# KiCad board for_real_486_2.kicad_pcb (continued)
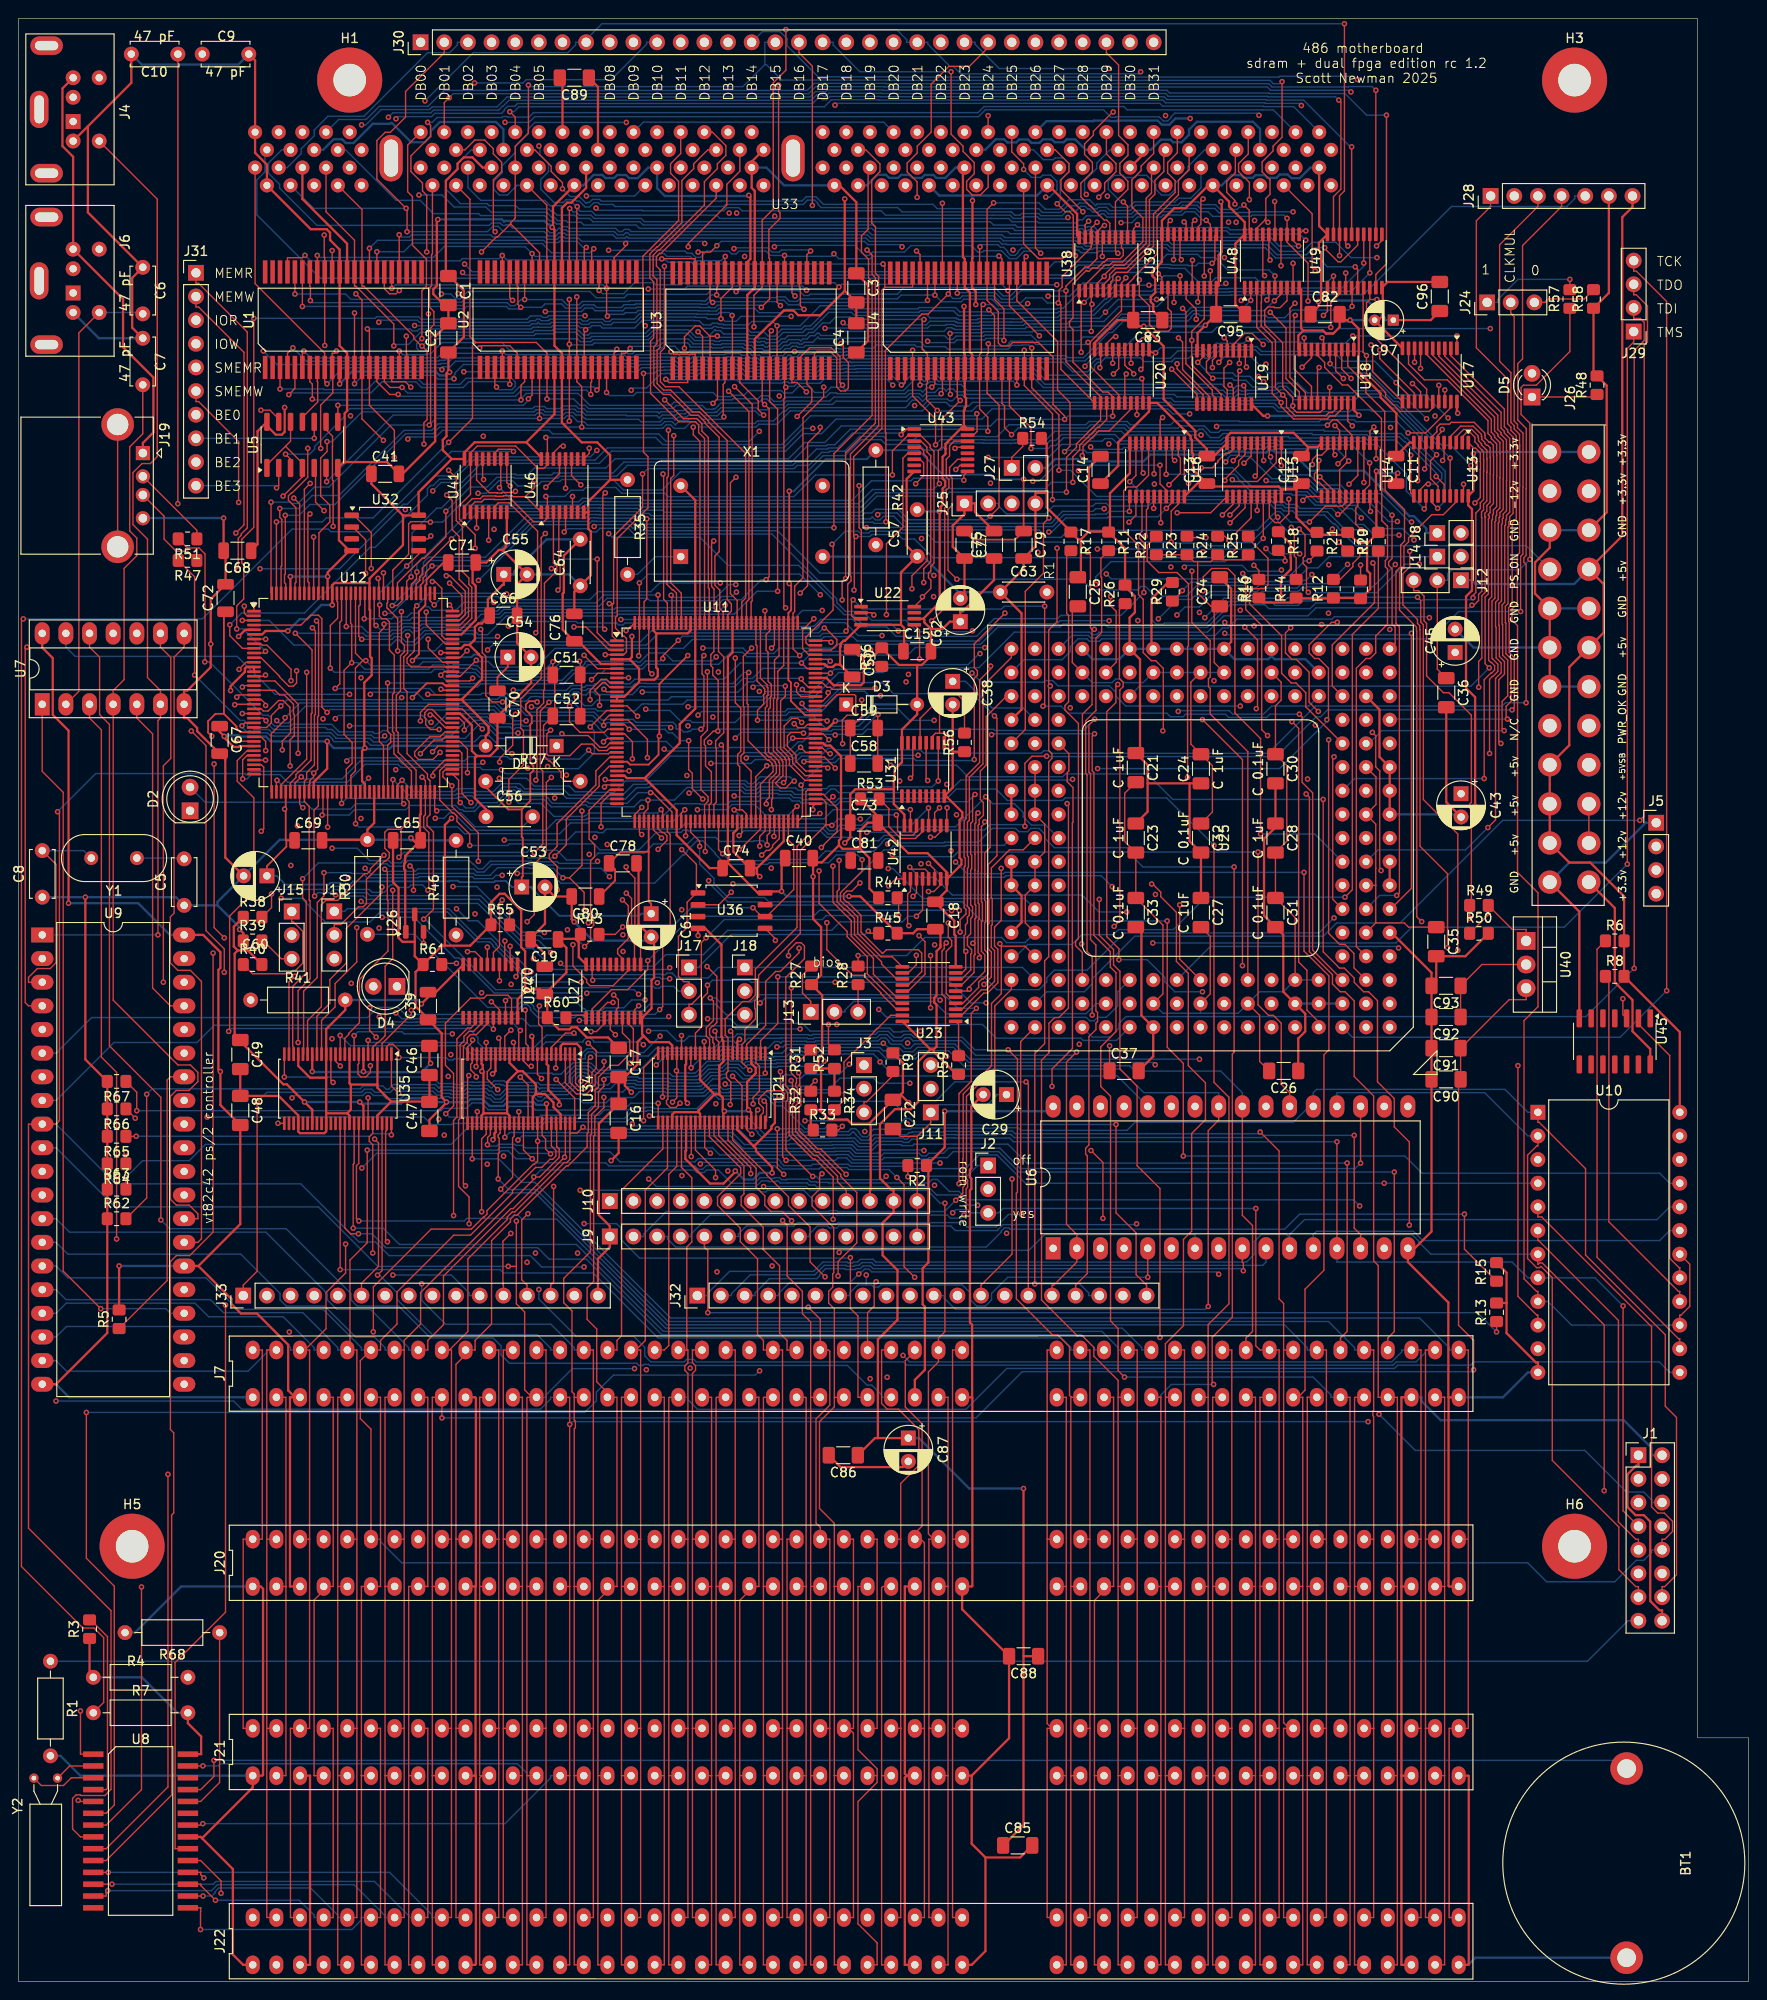
[diagram p0: board, top side]
## Routing (per net, layer and track width the routed paths; a pad name or vN(x,y) marks a point on that pad's centre or on a via; arc(x,y) is an arc through that point) (continued)
ISA_A10: length 91.4
  Top w0.15: J20.52 76.97,47.5 ; 76.97,47.5 76.97,67.82 J7.52 ; 76.97,47.5 76.97,27.18 ; U21.33 72.7,89.29 74.86,87.13 v1(74.86,86.34) ; 76.97,27.18 J21.52 ; 76.97,27.18 76.97,27.18 76.97,6.86 J22.52
  In2.Cu w0.15: J7.52 75.95,71.25 74.25,72.95 74.25,78.37 74.86,78.98 v1(74.86,86.34)
ISA_A11: length 92.2
  Top w0.15: 72.38,47.5 72.38,65.3 72.71,65.63 72.71,66.11 72.38,66.44 72.38,67.82 J7.51 ; 72.38,47.5 J20.51 ; 72.38,47.5 72.38,27.18 72.38,27.18 ; U21.32 72.25,92.22 v1(72.25,88.6) ; 72.38,27.18 J21.51 ; 72.38,27.18 72.38,6.86 J22.51
  In2.Cu w0.15: J7.51 73.41,70.13 69.98,73.55 69.98,84.44 71.89,86.35 71.89,88.24 v1(72.25,88.6)
ISA_A12: length 90.5
  Top w0.15: J20.50 71.89,47.5 ; 71.89,47.5 71.89,27.18 ; 71.89,47.5 71.89,65.3 71.56,65.63 71.56,66.11 71.89,66.44 71.89,67.82 71.77,67.82 ; J22.50 71.89,6.86 71.89,27.18 71.89,27.18 ; 71.89,27.18 J21.50 ; 71.77,67.82 71.77,67.82 71.77,78.88 72.31,79.42 72.31,86.31 71.2,87.43 U21.30 ; 71.77,67.82 J7.50
ISA_A13: length 91.2
  Top w0.15: J7.49 69.35,67.82 69.84,68.3 69.84,86.69 70.7,87.54 U21.29
  In2.Cu w0.15: J7.49 69.35,67.82 69.35,47.5 J20.49 68.33,45.21 69.6,43.94 69.6,28.45 J21.49 68.33,24.38 69.6,23.11 69.6,8.13 J22.49
ISA_A14: length 90.9
  Top w0.15: 66.3,67.82 66.81,67.82 66.81,47.5 ; 66.3,67.82 J7.48 ; 66.3,67.82 67.31,68.83 67.31,84.99 69.7,87.38 U21.27 ; 66.81,47.5 66.81,27.18 ; 66.81,47.5 J20.48 ; 66.81,27.18 J21.48 ; 66.81,27.18 66.81,27.18 66.81,6.86 J22.48
ISA_A15: length 93.8
  Top w0.15: J7.47 64.27,67.82 64.27,68.84 64.76,69.33 64.76,84.98 69.2,89.42 U21.26
  In2.Cu w0.15: 64.27,27.18 J21.47 ; 64.27,27.18 64.27,27.18 64.27,47.5 J20.47 62.22,47.5 62.22,59.02 62.5,59.3 62.5,59.78 62.22,60.07 62.22,67.82 J7.47 ; 64.27,27.18 64.27,6.86 J22.47
ISA_A16: length 105.5
  Top w0.15: v1(39.62,79.44) 39.43,79.63 39.43,91.32 39.54,91.44 U35.47 ; J21.46 61.73,27.18 ; 61.73,27.18 61.73,27.18 61.73,6.86 J22.46 ; 61.73,27.18 61.73,47.5 ; J20.46 61.73,47.5 ; 61.73,47.5 61.73,67.82 J7.46
  In1.Cu w0.15: v1(39.62,79.44) 43.3,75.76 v1(43.3,74.93)
  Bottom w0.15: J7.46 59.68,67.82 59.68,68.07 57.17,70.58 45.86,70.58 43.3,73.15 v1(43.3,74.93)
ISA_A17: length 104.5
  Top w0.15: U35.46 39.04,76.35 v1(38.55,75.86)
  In2.Cu w0.15: J22.45 59.44,8.13 59.44,23.62 58.17,24.89 J21.45 59.44,28.45 59.44,46.23 J20.45 59.94,49.28 59.94,59.94 59.44,60.45 59.44,63.25 58.17,64.52 J7.45
  Bottom w0.15: J7.45 57.14,67.82 57.14,68.02 55.69,69.47 44.43,69.47 40.64,73.26 40.64,73.99 38.76,75.86 v1(38.55,75.86)
ISA_A18: length 103.5
  Top w0.15: J20.44 56.65,47.5 ; 56.65,47.5 56.65,67.82 J7.44 ; 56.65,47.5 56.65,27.18 ; v1(38.04,78.24) 38.04,89.86 37.66,90.24 37.66,90.72 38.04,91.09 U35.44 ; 56.65,27.18 J21.44 ; 56.65,27.18 56.65,27.18 56.65,6.86 J22.44
  In1.Cu w0.15: v1(38.04,78.24) 38.99,78.24 43.18,74.05 43.18,73.29 46.8,69.66 47.89,69.66 49.28,68.27 49.28,67.29 50.06,66.51 53.55,66.51 54.6,67.56 54.6,67.82 J7.44
ISA_A19: length 104.6
  Top w0.15: 52.06,27.18 52.06,6.86 J22.43 ; 52.06,27.18 52.06,47.5 52.15,47.5 ; 52.06,27.18 J21.43 ; J7.43 52.06,67.82 52.06,47.59 52.15,47.5 ; 52.15,47.5 J20.43 ; U35.43 v1(37.54,94.9)
  In1.Cu w0.15: v1(45.12,92.61) 39.83,92.61 v1(37.54,94.9)
  In2.Cu w0.15: v1(45.12,92.61) 47.42,90.32 47.42,83.36 53.22,77.56 53.22,69.23 53.09,69.09 J7.43
ISA_A20: length 124.6
  Top w0.15: U35.41 36.54,87.85 36.29,87.6 36.29,81.93 v1(36.54,81.68)
  In2.Cu w0.15: J20.85 120.64,47.5 120.64,67.82 J7.85
  Bottom w0.15: v1(36.54,81.68) 47.87,81.68 48.15,81.95 52.83,81.95 53.17,82.3 53.65,82.3 54.07,81.87 57.79,81.87 69.49,70.17 118.54,70.17 120.64,68.07 120.64,67.82 J7.85
ISA_A21: length 165.1
  Top w0.15: J22.84 120.15,6.86 120.15,27.18 120.15,27.18 ; J20.84 120.15,47.5 ; 120.15,47.5 120.15,27.18 ; 120.15,47.5 120.15,67.82 J7.84 ; U35.40 36.04,87.85 35.94,87.75 v1(35.94,80.9) ; 120.15,27.18 J21.84
  Bottom w0.15: J7.84 118.1,67.82 118.1,68.07 116.35,69.82 69.25,69.82 59.92,79.15 40.91,79.15 39.16,80.9 v1(35.94,80.9)
ISA_A22: length 163.4
  Top w0.15: U35.38 35.04,80.91 35.65,80.3 v1(36.5,80.3)
  In2.Cu w0.15: J22.83 117.61,6.86 117.61,27.18 ; 117.61,27.18 117.61,27.18 117.61,47.5 ; 117.61,27.18 J21.83 ; J20.83 117.61,47.5 ; 117.61,47.5 117.61,67.82 J7.83
  Bottom w0.15: J7.83 115.56,67.82 115.56,68.03 114.13,69.47 69.07,69.47 60.97,77.57 56.98,77.57 55.75,78.8 39.45,78.8 39.38,78.87 39.38,78.87 39.04,79.21 39.04,79.21 37.95,80.3 v1(36.5,80.3)
ISA_A23: length 164
  Top w0.15: J20.82 115.07,47.5 ; 115.07,47.5 115.07,27.18 ; 115.07,47.5 115.07,67.82 J7.82 ; 115.07,27.18 115.07,27.18 115.07,6.86 J22.82 ; 115.07,27.18 J21.82 ; U35.37 v1(34.54,76.45)
  Bottom w0.15: J7.82 113.02,67.82 113.02,68.07 111.98,69.12 68.68,69.12 61.7,76.09 52.09,76.09 51.73,76.45 v1(34.54,76.45)
ISA_CLK: length 154.2
  Top w0.15: 74.43,22.1 74.43,1.78 J22.20 ; 74.43,22.1 74.43,42.42 ; 74.43,22.1 J21.20 ; v1(68.02,140.44) 67.68,140.79 U11.141 ; 74.43,42.42 74.43,62.74 J7.20 ; 74.43,42.42 J20.20
  In2.Cu w0.15: J7.20 72.38,62.74 72.38,65.3 72.71,65.63 72.71,66.11 72.38,66.44 72.38,70.59 69.23,73.74 69.23,74.24 67.27,76.2 67.27,85.78 66.55,86.5 66.55,97.19 66.26,97.48 66.26,102.6 66.02,102.84 66.02,106.27 66.2,106.45 66.2,111.41 66.16,111.45 66.16,111.78 65.85,112.09 65.85,120.9 65.3,121.45 65.3,122.94 65.1,123.13 65.1,124.26 64.91,124.45 64.91,126.88 65.27,127.23 65.27,128.05 65.34,128.12 65.34,128.76 66.94,130.36 66.94,133.39 67.81,134.26 67.81,136.28 68.02,136.49 v1(68.02,140.44)
ISA_dir: length 99.1
  Top w0.15: v1(48.76,101.12) 48.76,100.9 48.22,100.36 U34.24 ; v1(61.43,99.26) 61.18,99.01 61.18,96.67 60.57,96.06 60.22,96.06 59.82,96.46 59.82,99.5 U34.1 ; v1(23.68,140.92) 23.68,140.95 24.41,141.68 U12.12
  In1.Cu w0.15: v1(61.43,99.26) 57.49,95.32 54.8,95.32 49.78,90.3 49.78,89.62 50.76,88.64 v1(52.09,88.64) ; v1(48.76,101.12) 46.73,103.15 42.24,103.15 40.73,104.66 39.19,104.66 38.53,105.33 37.6,105.33 v1(35.73,107.2)
  In2.Cu w0.15: v1(52.09,88.64) 51.65,89.08 51.65,93.53 50.53,94.64 50.53,96.27 51.62,97.36 51.62,97.76 48.76,100.62 v1(48.76,101.12) ; v1(23.68,140.92) 24.61,139.99 24.61,131.77 25.73,130.65 25.73,129.65 29.38,126.01 29.38,125.51 32.94,121.95 32.94,120.45 33.94,119.44 33.94,118.93 35.76,117.11 35.76,115.98 35.73,115.95 v1(35.73,107.2)
ISA_High_en: length 62.4
  Top w0.15: v1(48.35,97.3) 48.22,97.17 U34.25 ; v1(30.02,131.9) 30.02,137.18 27.53,139.68 U12.16
  In1.Cu w0.15: v1(30.02,131.9) 30.59,131.34 31.69,131.34 39.25,123.77 39.25,123.67 42.37,120.56 42.77,120.56 48.67,114.66 v1(49.02,114.66)
  In2.Cu w0.15: v1(48.35,97.3) 47.85,97.3 45.84,99.31 45.84,105.17 48.8,108.12 48.8,114.43 v1(49.02,114.66)
ISA_Low_en: length 70.4
  Top w0.15: v1(57.74,96.87) 59.72,94.89 U34.48 ; v1(26.52,140.31) 26.39,140.18 U12.15
  In1.Cu w0.15: v1(58.95,112.95) 58.66,113.24 56.24,113.24 55.95,112.95 54.07,112.95 51.36,115.66 51.36,115.74 47.03,120.07 46.95,120.07 44.62,122.39 44.62,122.52 42.64,124.5 42.01,124.5 38.16,128.34 38.16,129.48 37.83,129.82 35.63,132.01 35.5,132.01 34.07,133.44 34.07,133.57 33.53,134.12 33.35,134.12 29.84,137.63 29.84,139.98 29.5,140.31 v1(26.52,140.31)
  In2.Cu w0.15: v1(57.74,96.87) 58.06,97.19 58.06,97.67 58.28,97.88 58.28,100.34 58.39,100.46 58.39,100.52 58.63,100.75 58.63,101.07 58.37,101.32 58.37,102.38 58.6,102.61 58.6,107.98 59.57,108.95 59.57,110.36 58.95,110.98 v1(58.95,112.95)
ISA_WAIT: length 42.9
  Top w0.15: v1(32.6,125.27) 32.69,125.36 U12.48 ; v1(69.02,125.87) 69.18,125.7 U11.43
  Bottom w0.15: v1(32.6,125.27) 35.5,125.27 36.08,125.85 41.59,125.85 42.04,126.3 46.93,126.3 47.38,125.85 47.67,125.85 47.84,125.68 48.96,125.68 49.53,126.25 51.52,126.25 52.08,126.81 52.08,126.9 52.42,127.24 53,127.24 53.71,126.53 56.11,126.53 57.51,125.13 60.75,125.13 60.83,125.21 60.94,125.21 61.22,125.49 68.64,125.49 v1(69.02,125.87)
isabus_en: length 102.5
  Top w0.15: U12.47 32.19,126.25 31.73,125.79 31.73,116.64 v1(31.79,116.57) ; v1(60.79,111.15) 61.44,111.79 61.44,113.11 61.77,113.45 61.77,113.93 61.44,114.27 61.44,120.37 61.87,120.81 61.87,122.09 61.28,122.68 61.28,125.79 63.49,128 U11.33 ; v1(57.47,85.38) 57.47,75.1 57.15,74.79 J33.14
  In2.Cu w0.15: v1(57.47,85.38) 59.02,86.94 59.02,88.09 59.22,88.29 59.22,89.06 58.73,89.55 58.73,94.52 58.6,94.64 58.6,96.18 58.63,96.21 58.63,96.28 58.67,96.32 58.67,96.57 58.76,96.66 58.76,97.38 59.01,97.62 59.01,100.08 59.09,100.16 59.09,100.23 59.33,100.46 59.33,101.36 59.07,101.61 59.07,102.09 59.33,102.35 59.33,102.8 59.3,102.82 59.3,107.32 59.51,107.53 59.51,107.9 60.47,108.86 60.47,110.83 v1(60.79,111.15)
  Bottom w0.15: v1(31.79,116.57) 32.14,116.93 33.46,116.93 33.8,117.27 34.28,117.27 34.62,116.93 37.44,116.93 37.74,116.62 49.61,116.62 53.9,112.34 55.99,112.34 56.35,111.99 59.96,111.99 v1(60.79,111.15)
KBD_A20: length 99.1
  In2.Cu w0.15: U9.22 19.26,66.68 19.26,84.78 v1(29.37,94.9)
  Bottom w0.15: J3.2 89.68,95.88 89.22,95.43 82.17,95.43 81.92,95.67 80.94,95.67 80.73,95.88 77.81,95.88 77.8,95.87 76.2,95.87 76.13,95.81 75.65,95.81 75.32,96.14 75.23,96.23 74.35,96.23 73.58,95.46 73.38,95.46 73.35,95.44 71.13,95.44 71.1,95.46 69.51,95.46 69.4,95.57 66.69,95.57 66.05,94.93 63.66,94.93 63.1,94.37 60.63,94.37 60.19,94.81 57,94.81 56.91,94.9 56.52,94.9 56.19,94.56 55.78,94.56 55.19,95.15 52.62,95.15 51.99,94.51 51.99,94.51 51.9,94.42 51.02,94.42 50.6,94.83 50.35,94.83 50,95.18 50,95.18 49.98,95.16 48.36,95.16 48.13,94.92 46.48,94.92 46.48,94.92 46.3,94.92 46.19,95.03 45.72,95.03 45.54,94.85 44.76,94.85 44.34,95.27 41.5,95.27 41.39,95.16 41.05,94.82 39.49,94.82 39.16,95.15 38.1,95.15 37.78,95.48 37.3,95.48 36.98,95.15 29.63,95.15 v1(29.37,94.9)
kbd_clk: length 118.2
  Top w0.15: v1(14.97,112.4) 14.97,135.43 15.23,135.69 U7.6 15.23,138.65 13.84,140.04 13.84,154.91 12.28,156.47 12.28,162.06 13.25,163.03 14.15,163.03 14.89,163.77 14.89,191.44 J4.5
  In1.Cu w0.15: C9.2 10.38,197.67 J4.5
  Bottom w0.15: U9.1 v1(14.97,112.4)
kbd_data: length 146.6
  Top w0.15: U9.27 19.26,79.38 19.64,79.76 19.64,107.4 18.45,108.59 17.11,108.59 16.3,109.4 16.3,114.33 16.7,114.73 16.7,142.24 17.77,143.31 U7.8 ; C10.2 v1(17.1,158.72)
  In1.Cu w0.15: J4.1 9.86,199.77 C10.2
  In2.Cu w0.15: U7.8 17.77,146.27 17.1,146.94 v1(17.1,158.72)
kbd_en: length 91.3
  Top w0.15: v1(68.87,104.38) 69.19,104.71 69.19,111.47 69.99,112.27 69.99,123.2 69.68,123.51 U11.44
  Bottom w0.15: U9.6 4.02,99.7 7.84,103.53 37.47,103.53 38.56,104.62 40.75,104.62 41.51,103.86 41.81,103.86 41.94,103.73 42.41,103.73 42.54,103.86 53.2,103.86 53.83,104.49 53.83,104.58 54.17,104.91 54.65,104.91 54.99,104.58 54.99,104.32 55.79,103.52 59.72,103.52 59.99,103.78 60.47,103.78 60.69,103.56 62.94,103.56 63.25,103.87 68.35,103.87 v1(68.87,104.38)
KEN: length 51
  In1.Cu w0.15: v1(76.18,87.05) 76.18,87.58 81.11,92.51 82.18,92.51 98.51,108.83 103.88,108.83 106.42,111.38 106.88,111.38 107.9,112.4 107.9,112.88 108.94,113.92 110.44,113.92 U25.F15
  In2.Cu w0.15: v1(76.18,87.05) 76.2,87.03 J10.6
lcd_en: length 188.6
  Top w0.15: v1(60.74,142.43) 62.16,141 U11.7
  In1.Cu w0.15: v1(122.11,116.75) 118.94,116.75 117.8,115.61 112.85,115.61 112.23,116.24 102.26,116.24 v1(101.05,115.03) ; v1(74.23,133.08) 73.85,133.08 72.48,134.45 72.48,135.09 72.14,135.43 70.44,135.43 68.66,137.22 65.95,137.22 v1(60.74,142.43)
  In2.Cu w0.15: v1(122.11,116.75) 128.45,110.4 128.45,107.12 129.28,106.3 129.72,106.3 130.76,105.26 130.76,100.56 132.71,98.61 132.71,92.76 137.89,87.58 137.89,76.59 145.62,68.86 145.62,61.43 v1(146.13,60.92) ; v1(74.23,133.08) 74.23,131.77 74.94,131.06 74.94,126.23 74.4,125.69 74.4,119.51 74.12,119.23 v1(74.12,118.23)
  Bottom w0.15: v1(101.05,115.03) 100.47,115.61 80.17,115.61 79.84,115.95 76.17,115.95 74.12,118 v1(74.12,118.23) ; v1(146.13,60.92) 150.02,57.03 168.23,57.03 172.7,52.56 174.56,52.56 175.4,51.72 175.4,51.44 176.53,51.44
LOCK: length 115.7
  Top w0.15: U27.4 62.91,102.86 62.06,102.02 v1(61.48,102.02) ; U25.N15 112.81,131.87 112.81,130.01 112.63,129.84 112.63,128.85 113.25,128.23 113.25,124.51 113.19,124.44 113.19,111.09 113.2,111.08 113.2,100.2 111,98.01 v1(111,96.13)
  In1.Cu w0.15: J10.10 87.49,83.82 87.49,84.05 93.25,89.82 104.69,89.82 v1(111,96.13)
  In2.Cu w0.15: v1(61.48,102.02) 61.48,101.75 61.07,101.34 60.95,101.34 60.61,101 60.61,100.53 60.38,100.3 60.38,100.03 60.15,99.79 60.15,97.27 59.82,96.94 59.82,94.99 60.03,94.78 60.03,91.18 60.31,90.9 v1(60.31,84.97)
  Bottom w0.15: v1(60.31,84.97) 79.55,84.97 79.73,84.8 80.26,84.8 80.44,84.97 84.33,84.97 85.23,84.08 85.23,83.82 J10.10
M/IO: length 150.6
  Top w0.15: v1(102.72,127.49) 102.47,127.23 102.47,124.59 102.26,124.38 102.26,121.06 102.38,120.95 102.38,119.51 102.26,119.4 102.26,115.63 102.47,115.43 102.47,114.37 102.26,114.17 102.26,112.53 101.91,112.18 101.91,111.27 102.36,110.82 102.36,110.42 102.27,110.33 102.27,108.64 101.31,107.67 U23.8
  In1.Cu w0.15: v1(102.72,127.49) 102.72,128.02 106.4,131.7 107.9,131.7 U25.N16
  In2.Cu w0.15: J33.3 29.21,74.79 32.81,78.39 32.81,97.39 38.44,103.02 38.98,103.02 39.31,103.36 39.31,109.98 39.68,110.35 39.68,116.11 39.61,116.18 39.61,117.44 39.94,117.78 40.88,117.78 44.75,121.65 v1(44.75,124.93)
  Bottom w0.15: v1(44.75,124.93) 45.68,124.93 46.26,125.5 46.74,125.5 47.08,125.16 48.6,123.64 56.62,123.64 57.76,124.78 60.89,124.78 60.98,124.86 61.09,124.86 61.17,124.94 69,124.94 70.55,126.49 73.17,126.49 73.25,126.41 76.13,126.41 76.47,126.76 79.51,126.76 79.85,127.1 82.78,127.1 83.09,126.79 83.85,126.79 84.08,126.56 86.85,126.56 87.09,126.33 87.86,126.33 88.24,126.71 101.95,126.71 v1(102.72,127.49)
MASTER16: length 243.8
  Top w0.15: v1(149.38,81.23) 149.38,90.16 147.76,91.78 147.76,94.83 145.96,96.63 145.96,105.34 145.01,106.3 144.47,106.3 143.46,107.3 143.46,107.77 142.4,108.84 141.88,108.84 140.13,110.59 v1(140.13,126.95) ; J21.79 153.17,22.1 ; 153.17,22.1 153.17,42.42 153.17,42.42 ; 153.17,22.1 153.17,1.78 J22.79 ; U46.11 59.39,161.73 v1(60.39,160.74) ; 153.17,42.42 J20.79 ; 153.17,42.42 153.17,62.74 J7.79
  In2.Cu w0.15: v1(94.49,145.05) 93.67,144.23 v1(93.67,130.62) ; v1(60.39,160.74) 63.38,157.75 v1(63.38,155.5) ; J7.79 151.12,62.74 151.12,79.49 v1(149.38,81.23)
  Bottom w0.15: v1(93.67,130.62) 100.75,130.62 101.99,129.39 112.14,129.39 112.45,129.69 121.23,129.69 123.97,126.95 v1(140.13,126.95) ; v1(63.38,155.5) 63.77,155.11 73.19,155.11 76.2,152.09 83.78,152.09 87.53,148.35 87.53,147.96 88.7,146.79 89.6,146.79 90.56,145.84 93.71,145.84 v1(94.49,145.05)
MCLK0: length 153.6
  Top w0.15: v1(110.42,131.6) 108.85,131.6 108.09,130.83 v1(108.09,124.07) ; v1(77.39,123.07) 77.68,123.36 U11.60 ; v1(160.41,136.57) 160.65,136.81 160.65,142.2 160.11,142.75 160.11,146.03 160.05,146.09 160.05,147.55 160.43,147.93 160.43,156.64 160.87,157.09 160.87,160.78 160.89,160.79 160.89,164.85 160.87,164.87 160.87,166.02 160.29,166.59 160.29,166.95 159.94,167.3 159.94,172.1 156.58,175.46 156.58,189.11 158.12,190.64 J28.1
  Bottom w0.15: v1(110.42,131.6) 110.46,131.56 135.1,131.56 139.37,135.83 139.85,135.83 140.59,136.57 v1(160.41,136.57) ; v1(77.39,123.07) 77.91,123.59 86.11,123.59 86.82,122.88 89.55,122.88 89.91,122.53 92.4,122.53 92.96,123.09 96.71,123.09 97.29,123.67 103.74,123.67 104.32,124.25 107.91,124.25 v1(108.09,124.07)
MCLK2: length 149
  Top w0.15: U10.18 179.51,77.03 179.51,72.51 178.56,71.57 178.43,71.57 U10.15 ; J28.3 163.19,190.64 159.08,186.53 159.08,174.01 160.29,172.79 160.29,167.45 160.64,167.1 160.64,166.74 161.22,166.16 161.22,165.01 161.24,165 161.24,160.65 161.22,160.63 161.22,153.44 160.98,153.2 160.98,147.99 160.4,147.41 160.4,146.23 161,145.63 161,119.12 163.2,116.93 163.2,104.69 161.7,103.19 161.7,75.46 163.06,74.11 163.19,74.11 U10.9
  Bottom w0.15: U10.15 166.81,70.49 164.27,73.03 U10.9
MEMCS16: length 147.6
  Top w0.15: J20.63 112.53,42.42 ; J7.63 112.53,62.74 112.53,42.42 ; J22.63 112.53,1.78 112.53,22.1 ; 112.53,22.1 112.53,22.1 112.53,42.42 112.53,42.42 ; 112.53,22.1 J21.63 ; U27.8 65.51,102.85 66.03,102.33 66.03,98.96 v1(65.68,98.61)
  In1.Cu w0.15: J7.63 110.48,62.74 107.55,65.67 86.2,65.67 85.53,65 73.01,65 v1(72.14,65.87)
  In2.Cu w0.15: v1(65.68,98.61) 64.91,97.84 64.91,77.57 71.68,70.8 71.68,70.34 71.89,70.12 71.89,66.12 v1(72.14,65.87)
MEMR: length 356.9
  Top w0.15: U3.37 75.87,185.24 v1(75.9,185.27) ; U4.37 v1(99.22,190.99) ; 32.08,183.62 v1(32.08,185.38) ; U24.18 v1(52.3,105.35) ; 131.44,93.98 131.44,82.28 132.54,81.18 132.54,69.81 131.83,69.09 J7.89 ; 55.16,183.62 v1(55.16,185.58)
  In1.Cu w0.15: v1(75.9,185.27) 76.5,184.68 78.2,184.68 84.85,191.33 85.5,191.33 86,190.83 99.07,190.83 v1(99.22,190.99)
  In2.Cu w0.15: J7.89 130.8,67.82 130.8,47.5 J20.89 131.83,44.45 133.1,43.18 133.1,28.45 J21.89 131.83,26.67 133.1,25.4 133.1,8.13 J22.89 ; v1(75.9,185.27) 72.32,181.69 72.32,176.85 72.8,176.37 72.8,167.98 72.33,167.51 72.23,167.51 71.89,167.17 71.89,161.41 72.2,161.1 72.2,159.55 68.08,155.43 68.08,144.46 68.61,143.92 68.61,141.35 68.46,141.2 68.46,140.82 68.6,140.68 68.6,134.55 68.25,134.2 68.25,130.57 66.04,128.36 66.04,127.83 65.97,127.76 65.97,126.94 65.62,126.59 65.62,124.74 65.81,124.55 65.81,123.42 66,123.23 66,122.05 66.87,121.19 66.87,111.74 67,111.6 67,109.4 67.2,109.2 67.2,105.52 v1(67.3,105.42) 67.3,103.64 67.08,103.43 67.08,101.45 68.49,100.04 v1(68.49,98.44)
  Bottom w0.15: v1(75.9,185.27) 75.44,184.81 72.6,184.81 72.14,185.27 69.64,185.27 69.32,185.59 68.85,185.59 68.53,185.27 55.46,185.27 v1(55.15,185.58) 54.43,186.31 50.5,186.31 50.46,186.35 45.74,186.35 44.55,185.17 32.29,185.17 v1(32.08,185.38) ; v1(52.3,105.35) 52.56,105.62 59.5,105.62 60.63,104.49 60.76,104.49 60.99,104.26 62.65,104.26 62.96,104.57 65,104.57 65.86,105.42 v1(67.3,105.42) ; v1(68.49,98.44) 69.58,99.52 74.98,99.52 75.53,100.07 76.74,100.07 76.91,99.91 79.31,99.91 79.58,99.64 80.96,99.64 81.01,99.69 82.02,99.69 82.6,100.28 84.29,100.28 84.37,100.2 85.79,100.2 85.9,100.31 92.5,100.31 92.85,99.96 93.23,99.96 93.75,99.44 96.19,99.44 96.71,99.96 99.89,99.96 101.5,98.35 101.5,98.35 119.35,98.35 119.93,97.77 129.13,97.77 131.44,95.46 131.44,93.98
MEMW: length 355.4
  Top w0.15: v1(37.46,177.49) 37.68,177.27 U1.15 37.68,169.28 40.36,166.6 v1(40.36,163.69) ; U24.17 51.65,104.36 v1(50.78,105.23) ; U2.15 60.75,177.26 v1(60.91,177.41) ; J21.90 135.39,27.18 ; 135.39,27.18 135.39,47.5 ; 135.39,27.18 135.39,27.18 135.39,6.86 J22.90 ; v1(132.9,83.02) 132.9,68.26 133.34,67.82 J7.90 135.39,67.82 135.39,47.5 ; U4.15 104.83,178.93 v1(104.21,179.54) ; v1(81.46,177.82) 81.47,177.81 U3.15 ; J20.90 135.39,47.5
  In1.Cu w0.15: v1(40.51,130.15) 40.41,130.15 39.6,129.34 39.6,128.88 40.03,128.45 40.3,128.45 45.36,123.39 45.36,122.66 47.24,120.77 47.82,120.77 49.65,118.94 49.99,118.94 v1(51.4,117.53) ; v1(98.38,85.51) 98.38,83.85 99.67,82.55 v1(100.33,82.55) ; v1(50.78,105.23) 50.69,105.23 v1(49.73,106.19)
  In2.Cu w0.15: v1(40.51,130.15) 40.51,138.38 41.37,139.25 41.37,142.99 42.36,143.98 42.36,144.8 40.54,146.62 40.54,147.37 40.88,147.71 40.88,147.88 40.36,148.41 v1(40.36,163.69) ; v1(97.25,89.24) 98.38,88.11 v1(98.38,85.51) ; v1(50.78,105.23) 50.78,103.7 49.57,102.5 49.57,100.37 51.97,97.97 51.97,97.22 50.88,96.13 50.88,95.39 53.64,92.64 v1(53.64,90.37) ; v1(51.4,117.53) 49.95,116.08 49.95,114.27 49.73,114.05 v1(49.73,106.19)
  Bottom w0.15: 60.91,177.63 60.31,177.63 60.1,177.84 57.37,177.84 57.25,177.72 57.25,177.72 57.2,177.67 55.84,177.67 55.83,177.68 55.8,177.68 55.26,177.68 55.07,177.48 43.04,177.48 42.83,177.28 42.29,177.28 42.08,177.49 v1(37.46,177.49) ; 60.91,177.63 v1(60.91,177.41) ; 60.91,177.63 61.37,177.63 61.58,177.84 62.47,177.84 62.72,177.58 66.17,177.58 66.99,178.41 72.56,178.41 72.6,178.38 73.1,178.38 73.55,177.92 74.34,177.92 74.52,178.1 75.11,178.1 75.2,178.01 75.67,178.01 75.75,177.92 78.38,177.92 78.74,178.29 81,178.29 v1(81.46,177.82) 81.46,177.83 83.94,177.83 86.1,179.98 89.75,179.98 90.09,179.65 96.58,179.65 96.72,179.79 100.63,179.79 101.09,179.33 104.01,179.33 v1(104.21,179.54) ; v1(97.25,89.24) 97.19,89.3 92.64,89.3 92.29,88.95 89.93,88.95 89.37,89.51 87.56,89.51 87.52,89.47 77.8,89.47 76.45,90.82 54.09,90.82 v1(53.64,90.37) ; v1(132.9,83.02) 105.74,83.02 105.27,82.55 J2.3 102.32,82.55 101.98,82.89 100.67,82.89 v1(100.33,82.55)
ms_clk: length 81.7
  Top w0.15: J6.5 6.47,177.07 6.47,138.56 U7.2
  In2.Cu w0.15: U7.2 5.07,135.69 16.3,124.46 16.3,109.86 U9.39
  Bottom w0.15: J6.5 13.19,179.25 C6.2
ms_data: length 114.6
  Top w0.15: C7.2 13.34,166.22 11.93,164.82 11.93,155.79 12.69,155.03 12.69,153.13 11.33,151.77 11.33,139.82 10.16,138.65 U7.4 10.16,105.39 17.11,98.43 18.46,98.43 19.26,97.63 19.26,96.65 18.3,95.7 16.93,95.7 16.3,95.07 16.3,84.01 16.93,83.38 18.32,83.38 19.26,82.44 19.26,81.92 U9.28
  In2.Cu w0.15: C7.2 7.26,177.57 7.26,179.95 J6.1
NOWS: length 123.7
  Top w0.15: J21.8 41.9,22.1 ; U27.6 64.21,104.4 64.42,104.61 64.42,105.45 v1(63.92,105.95) ; 41.9,22.1 41.9,42.42 J20.8 43.95,42.42 43.95,62.74 J7.8 ; 41.9,22.1 41.9,22.1 41.9,1.78 J22.8
  In1.Cu w0.15: v1(45.72,90.89) 47.61,90.89 53.31,96.59 53.31,97.37 53.65,97.71 53.66,97.71 54.82,98.87 55.16,98.87 59.65,103.36 59.65,103.45 59.99,103.78 60.34,103.78 62.51,105.95 v1(63.92,105.95)
  In2.Cu w0.15: v1(45.72,90.89) 45.72,71.19 43.95,69.42 43.95,62.74 J7.8
PCD: length 69.4
  In2.Cu w0.15: v1(76.73,117.89) 76.64,117.89 75.98,117.23 75.98,102.38 74.87,101.27 74.87,96.26 68.58,89.97 J10.3
  Bottom w0.15: U25.J17 105.85,122.02 99.62,122.02 99.54,121.94 93.94,121.94 93.54,121.54 92.95,121.54 89.3,117.89 v1(76.73,117.89)
PCHK: length 74.2
  Top w0.15: U25.Q17 106.12,138.05 103.93,135.85 103.93,130.63 103.3,130 103.3,126.95 103.63,126.63 103.63,125.24 103.18,124.79 103.18,124.3 103.07,124.19 103.07,121.25 103.08,121.24 103.08,119.22 103.07,119.21 103.07,115.82 103.17,115.72 103.17,114.07 103.07,113.97 103.07,110.49 103.4,110.16 103.4,110.14 v1(103.2,109.95)
  In1.Cu w0.15: J10.4 72.25,83.82 72.25,85.3 78.51,91.56 79.59,91.56 84.26,96.23 84.26,96.23 86.29,98.26 87.08,98.26 98.76,109.95 v1(103.2,109.95)
PIC0_en: length 40.7
  Top w0.15: U12.52 v1(34.69,126.52) ; U11.45 70.18,125.61 68.11,127.68 v1(67.88,127.68)
  Bottom w0.15: v1(34.69,126.52) 35.23,127.07 47.07,127.07 47.19,127.2 47.87,127.2 48.03,127.35 48.67,127.35 48.95,127.07 51.26,127.07 51.38,127.19 52.13,127.94 53.29,127.94 53.48,127.75 53.71,127.75 54.08,127.39 54.9,127.39 54.95,127.34 56.61,127.34 57,126.95 57,126.87 57.34,126.53 60.03,126.53 60.21,126.72 61.09,126.72 61.27,126.53 65.37,126.53 66.52,127.68 v1(67.88,127.68)
PIC1_en: length 41.7
  Top w0.15: U12.55 v1(36.19,124.35) ; v1(71.55,125.85) 71.18,125.48 U11.47
  Bottom w0.15: v1(36.19,124.35) 36.54,124 47.17,124 47.9,123.27 58.11,123.27 59.27,124.43 61.15,124.43 61.31,124.59 70.29,124.59 v1(71.55,125.85)
PIT_en: length 138.6
  Top w0.15: v1(123.37,113.9) 123.37,100.33 125.1,98.61 v1(125.1,88.65) ; U11.49 72.18,123.43 73.15,122.46 v1(73.15,121.91)
  Bottom w0.15: v1(73.15,121.91) 73.15,120.02 74.69,118.47 74.69,118 74.69,117.99 74.69,117.93 76.2,116.41 80.12,116.41 80.57,115.96 101.35,115.96 103.42,113.9 v1(123.37,113.9) ; U10.21 177.35,85.73 176.28,86.81 150.75,86.81 148.9,88.65 v1(125.1,88.65)
PWT: length 58.3
  In2.Cu w0.15: J10.9 83.82,84.95 85.37,84.95 92.71,92.29 92.71,98.12 93.11,98.52 93.11,100.17 93.46,100.52 93.46,101 93.41,101.05 93.41,103.11 99.59,109.28 99.59,109.78 101.84,112.03 101.84,114.46 106.37,119 109.39,119 110.44,120.04 110.44,126.62 U25.L15
RDY: length 119
  Top w0.15: U11.22 63.19,133.5 v1(62.82,133.14) ; v1(54.71,82.46) 54.04,81.79 54.04,75.36 54.61,74.79 J33.13
  In1.Cu w0.15: v1(93.41,119.53) 92.56,119.53 89.19,122.89 87.46,122.89 86.65,123.69 84.44,123.69 79.18,128.95 71.54,128.95 71.2,129.29 71.2,129.38 67.45,133.14 v1(62.82,133.14)
  In2.Cu w0.15: v1(54.71,82.46) 54.57,82.59 54.57,97.77 54.44,97.91 54.44,99.49 56.52,101.57 56.52,111.76 57.31,112.55 57.31,113.26 60.51,116.46 60.51,123.54 62.35,125.38 62.35,132.67 v1(62.82,133.14)
  Bottom w0.15: U25.F16 108.04,116.31 97.13,116.31 93.92,119.53 v1(93.41,119.53)
REFRESH: length 328.4
  Top w0.15: J22.19 69.84,1.78 69.84,22.1 ; J20.19 69.84,42.42 ; 69.84,42.42 69.84,62.67 69.9,62.74 J7.19 ; 69.84,42.42 69.84,22.1 ; J21.19 69.84,22.1 ; v1(34,138.87) 34.5,139.37 34.5,145.98 34.69,146.17 U12.129 ; v1(77.4,121.6) 77.5,121.6 79.68,123.77 U11.64 79.68,128.58 81.04,129.94 81.04,130.57 80.93,130.67 80.93,130.81 80.6,131.15 80.46,131.15 78.35,133.26 78.35,137.14 78.25,137.24 78.25,140.42 v1(78.42,140.59)
  In1.Cu w0.15: v1(64.91,112.41) 64.29,113.03 64.29,113.52 64.66,113.88 64.91,113.88 69.84,118.81 74.72,118.81 77.4,121.49 v1(77.4,121.6)
  In2.Cu w0.15: J7.19 69.84,62.74 69.84,71.69 66.99,74.54 66.88,74.54 62.37,79.05 62.37,90.38 64.21,92.21 64.21,98.57 65.67,100.03 65.67,106.41 65.85,106.6 65.85,111.26 64.91,112.2 v1(64.91,112.41)
  Bottom w0.15: U10.13 177.35,65.41 176.22,66.54 156.32,66.54 155.96,66.19 148.13,66.19 147.78,65.84 106.15,65.84 101.76,61.45 72.93,61.45 71.89,62.48 71.89,62.74 J7.19 ; v1(34,138.87) 44.13,138.87 44.79,138.21 49.64,138.21 49.79,138.36 52.4,138.36 52.9,137.86 54.16,137.86 54.65,138.35 56.08,138.35 56.12,138.31 58.97,138.31 59.5,138.84 60.27,138.84 60.45,138.66 60.94,138.66 61.12,138.84 62.09,138.84 62.28,139.02 62.28,139.03 62.62,139.37 63.1,139.37 63.44,139.03 65.83,139.03 66.18,139.38 66.56,139.38 66.61,139.43 67.38,139.43 67.41,139.4 76.72,139.4 77.91,140.59 v1(78.42,140.59)
